# Altium PCB ISS_PCB.PcbDoc (part 4 of 4) (continued)
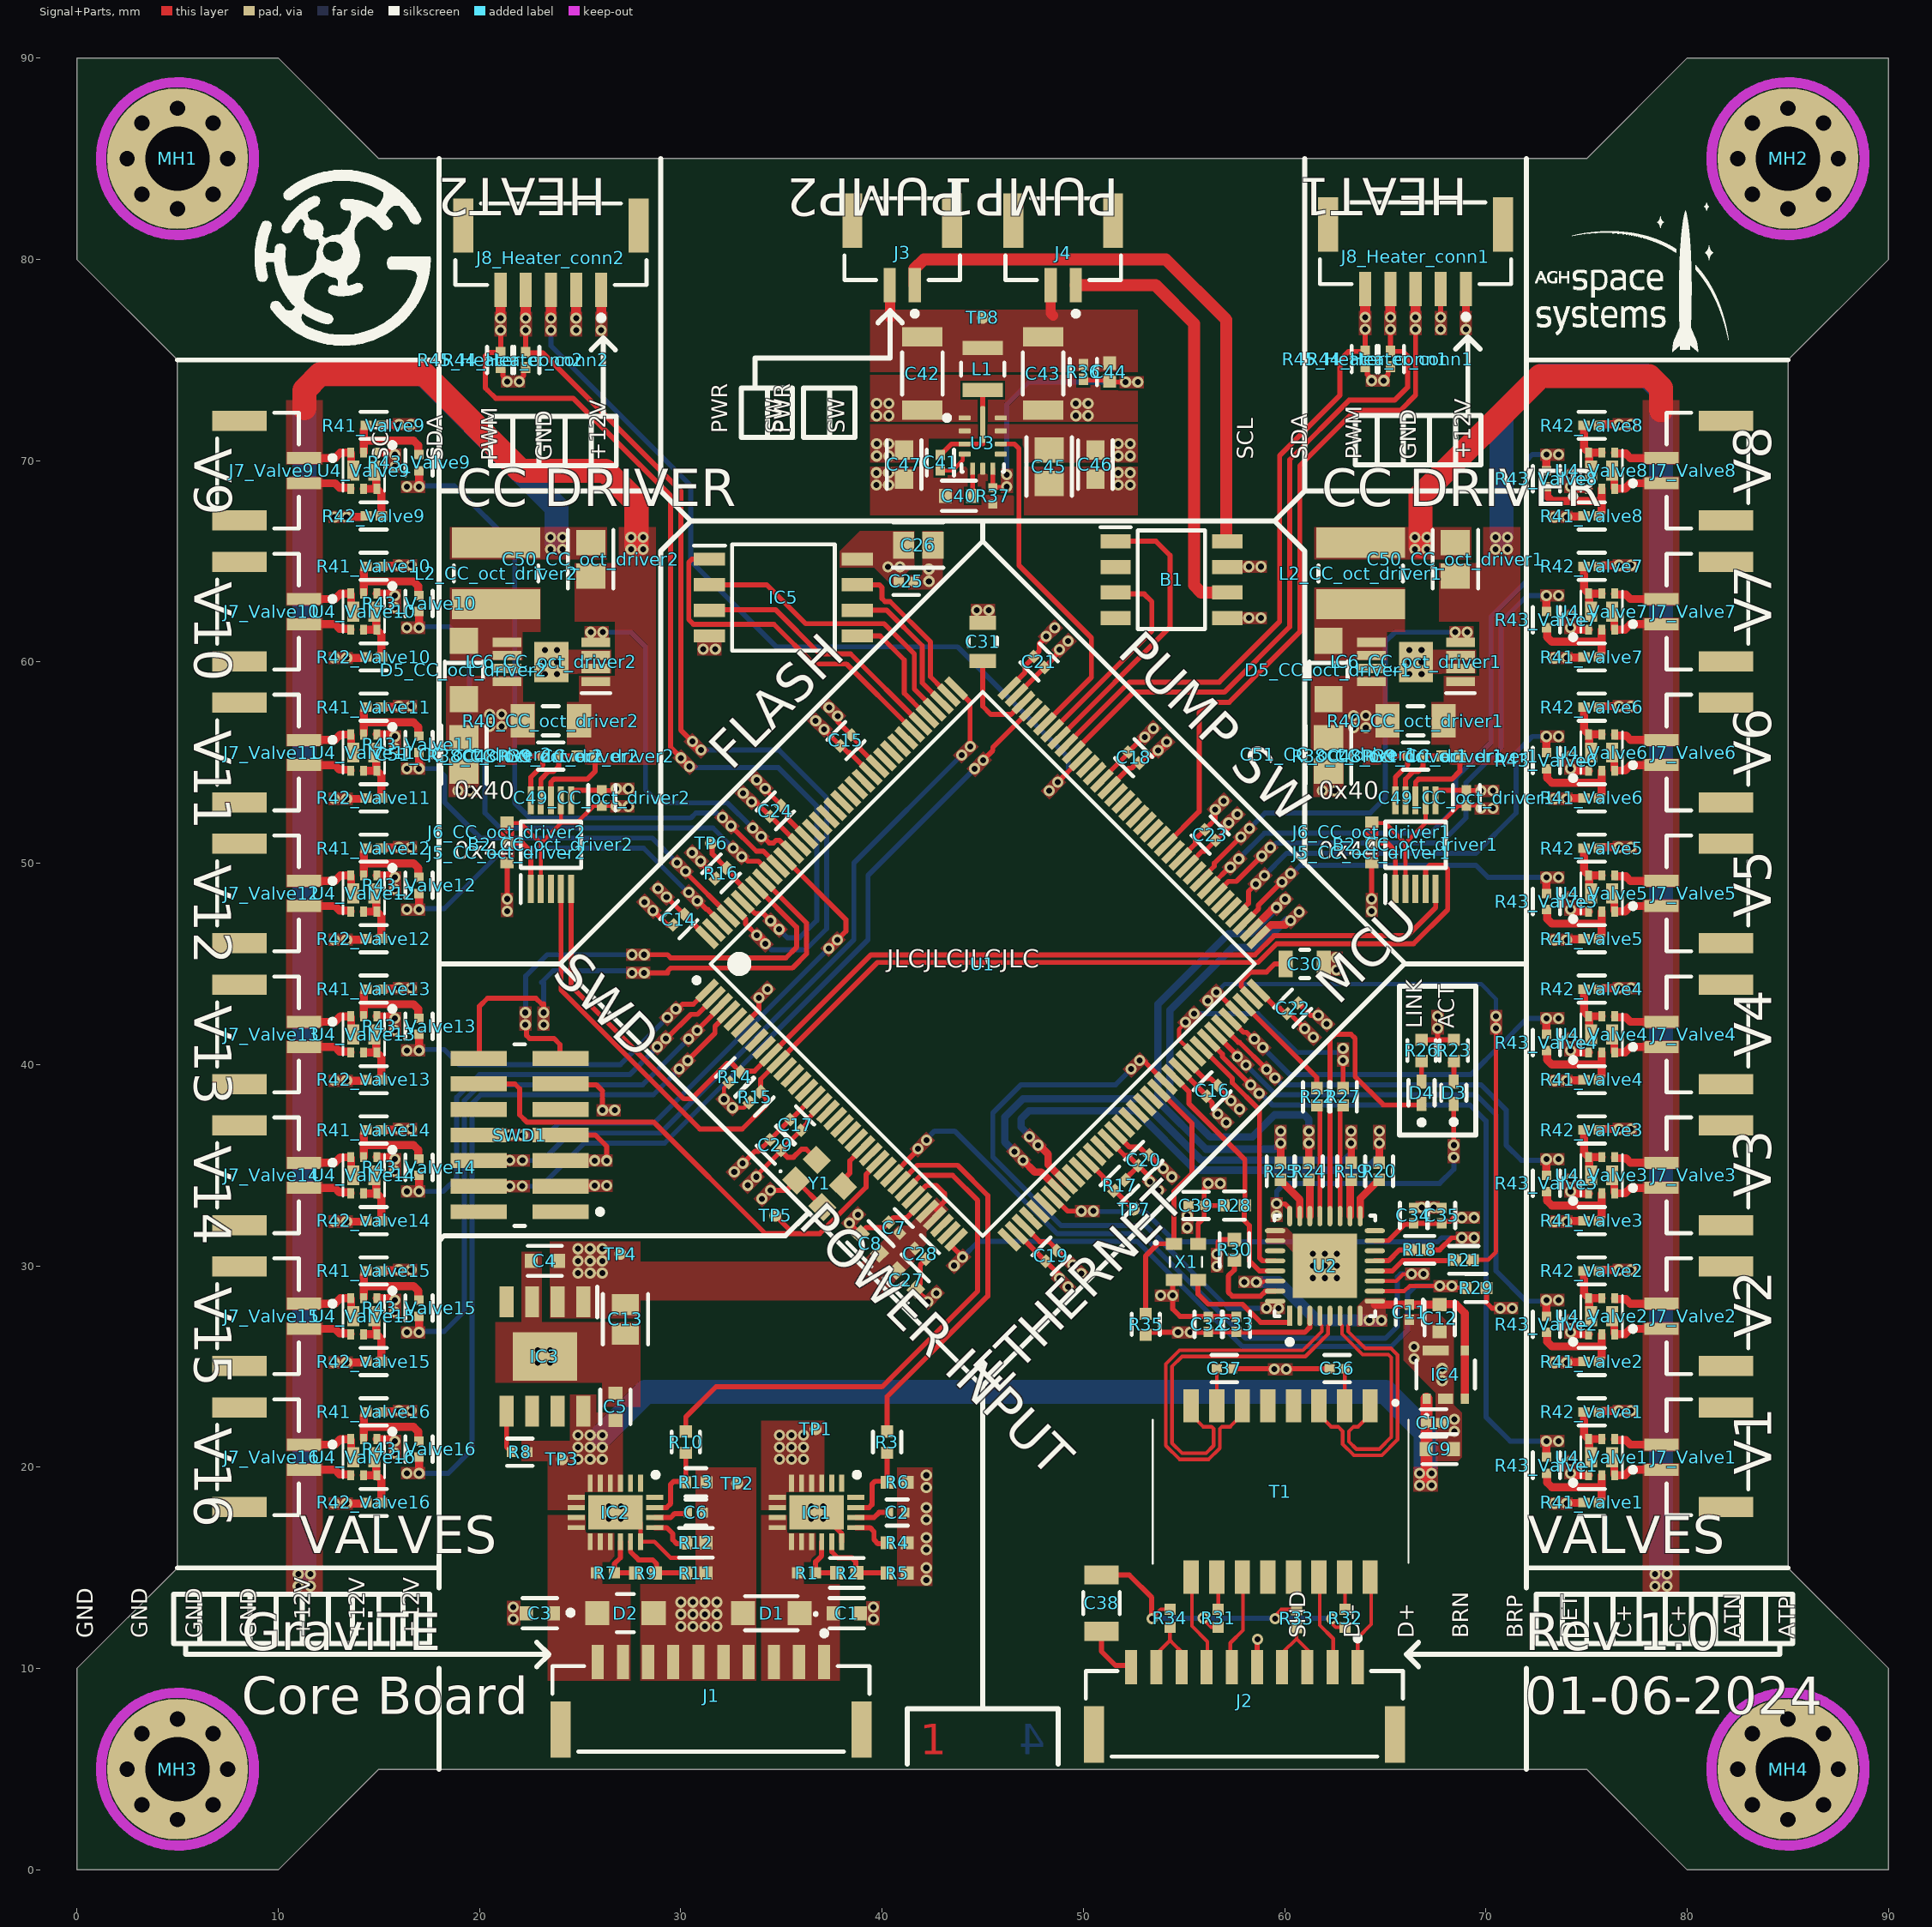
[diagram p0: Signal+Parts view]
## Polygon pours and split planes (outlines as drawn) (continued)
SWCLK on Signal "SWCLK_L04_P1935" (solid, pour order 1935): 22.541,34.932 21.341,34.932 21.341,35.532 22.541,35.532
SWO on Signal "SWO_L04_P1933" (solid, pour order 1933): 22.541,36.182 21.341,36.182 21.341,36.782 22.541,36.782
+3V3 on Signal "+3V3_L04_P1716" (solid, pour order 1716): 32.146,38.704 32.995,37.855 32.57,37.431 31.722,38.279
SWO on Signal "SWO_L04_P1929" (solid, pour order 1929): 38.201,46.197 37.352,45.348 36.928,45.772 37.776,46.621
SWCLK on Signal "SWCLK_L04_P1926" (solid, pour order 1926): 44.801,55.797 43.952,54.948 43.528,55.372 44.376,56.221
SWDIO on Signal "SWDIO_L04_P1928" (solid, pour order 1928): 45.466,55.131 44.618,54.282 44.193,54.707 45.042,55.555
+3V3 on Signal "+3V3_L04_P1915" (solid, pour order 1915): 39.994,65.029 41.194,65.029 41.194,64.429 39.994,64.429
GND on Signal "GND_L04_P1912" (solid, pour order 1912): 42.629,64.906 42.629,63.706 42.029,63.706 42.029,64.906
GND on Signal "GND_L04_P1910" (solid, pour order 1910): 49.33,73.131 50.53,73.131 50.53,71.932 49.33,71.932
GND on Signal "GND_L04_P1908" (solid, pour order 1908): 39.43,73.131 40.63,73.131 40.63,71.932 39.43,71.932
GND on Signal "GND_L04_P1906" (solid, pour order 1906): 39.43,69.7 40.63,69.7 40.63,68.532 39.43,68.532
GND on Signal "GND_L04_P1904" (solid, pour order 1904): 51.43,69.7 52.63,69.7 52.63,68.532 51.43,68.532
+12 on Signal "+12_L04_P1902" (solid, pour order 1902): 51.43,71.131 52.63,71.131 52.63,69.932 51.43,69.932
+12 on Signal "+12_L04_P1900" (solid, pour order 1900): 39.43,71.131 40.63,71.131 40.63,69.932 39.43,69.932
GND on Signal "GND_L04_P1898" (solid, pour order 1898): 62.879,45.606 62.879,44.406 62.279,44.406 62.279,45.606
GND on Signal "GND_L04_P1896" (solid, pour order 1896): 45.606,62.271 44.406,62.271 44.406,62.871 45.606,62.871
ValveGate6 on Signal "VALVEGATE6_L04_P1587" (solid, pour order 1587): 59.419,49.395 58.571,48.546 58.146,48.971 58.995,49.819
RMII_TXD0 on Signal "RMII_TXD0_L04_P1761" (solid, pour order 1761): 61.148,47.573 60.299,46.724 59.875,47.149 60.724,47.997
ST_LINK_RX on Signal "ST_LINK_RX_L04_P1888" (solid, pour order 1888): 27.284,44.859 28.484,44.859 28.484,44.259 27.284,44.259
ST_LINK_TX on Signal "ST_LINK_TX_L04_P1890" (solid, pour order 1890): 27.284,45.759 28.484,45.759 28.484,45.159 27.284,45.159
ST_LINK_TX on Signal "ST_LINK_TX_L04_P1894" (solid, pour order 1894): 21.982,41.684 21.982,42.884 22.582,42.884 22.582,41.684
ST_LINK_RX on Signal "ST_LINK_RX_L04_P1892" (solid, pour order 1892): 22.882,41.684 22.882,42.884 23.482,42.884 23.482,41.684
HEAT_I2C_SDA2 on Signal "HEAT_I2C_SDA2_L04_P1882" (solid, pour order 1882): 30.577,56.472 31.426,55.624 31.002,55.199 30.153,56.048
HEAT_I2C_SDA2 on Signal "HEAT_I2C_SDA2_L04_P1886" (solid, pour order 1886): 34.2,45.551 33.351,46.4 33.776,46.824 34.624,45.976
HEAT_I2C_SCL2 on Signal "HEAT_I2C_SCL2_L04_P1884" (solid, pour order 1884): 34.888,46.293 34.04,47.142 34.464,47.566 35.313,46.718
HEAT_I2C_SCL2 on Signal "HEAT_I2C_SCL2_L04_P1880" (solid, pour order 1880): 30.012,55.657 30.86,54.808 30.436,54.384 29.587,55.232
GND on Signal "GND_L04_P1877" (solid, pour order 1877): 30.991,49.676 30.143,50.524 30.567,50.949 31.416,50.1
ValveGate11 on Signal "VALVEGATE11_L04_P1565" (solid, pour order 1565): 30.241,49.176 29.393,50.024 29.817,50.449 30.666,49.6
GND on Signal "GND_L04_P1876" (solid, pour order 1876): 61.669,42.866 62.518,42.018 62.093,41.593 61.245,42.442
+3V3 on Signal "+3V3_L04_P1874" (solid, pour order 1874): 61.003,42.201 61.852,41.352 61.428,40.928 60.579,41.776
GND on Signal "GND_L04_P1870" (solid, pour order 1870): 68.125,25.2 68.125,24 67.525,24 67.525,25.2
+5 on Signal "+5_L04_P1868" (solid, pour order 1868): 66.399,19.999 67.599,19.999 67.599,18.8 66.399,18.8
MDIO on Signal "MDIO_L04_P1864" (solid, pour order 1864): 43.158,30.018 44.007,30.866 44.431,30.442 43.582,29.593
MDC on Signal "MDC_L04_P1862" (solid, pour order 1862): 41.358,35.818 42.207,36.666 42.631,36.242 41.782,35.393
GND on Signal "GND_L04_P1858" (solid, pour order 1858): 49.231,28.534 48.382,29.382 48.807,29.807 49.655,28.958
+3V3 on Signal "+3V3_L04_P1856" (solid, pour order 1856): 49.897,29.199 49.048,30.048 49.472,30.472 50.321,29.624
RMII_CRS_DV on Signal "RMII_CRS_DV_L04_P1854" (solid, pour order 1854): 49.6,33.025 50.8,33.025 50.8,32.425 49.6,32.425
GND on Signal "GND_L04_P1852" (solid, pour order 1852): 53.731,33.334 52.882,34.182 53.307,34.607 54.155,33.758
+3V3 on Signal "+3V3_L04_P1850" (solid, pour order 1850): 54.397,33.999 53.548,34.848 53.972,35.272 54.821,34.424
GND on Signal "GND_L04_P1848" (solid, pour order 1848): 32.234,34.669 33.082,35.518 33.507,35.093 32.658,34.245
+3V3 on Signal "+3V3_L04_P1846" (solid, pour order 1846): 32.899,34.003 33.748,34.852 34.172,34.428 33.324,33.579
+3V3 on Signal "+3V3_L04_P1844" (solid, pour order 1844): 28.869,49.166 29.718,48.318 29.293,47.893 28.445,48.742
GND on Signal "GND_L04_P1842" (solid, pour order 1842): 28.203,48.501 29.052,47.652 28.628,47.228 27.779,48.076
GND on Signal "GND_L04_P1840" (solid, pour order 1840): 33.769,54.566 34.618,53.718 34.193,53.293 33.345,54.142
+3V3 on Signal "+3V3_L04_P1838" (solid, pour order 1838): 33.103,53.901 33.952,53.052 33.528,52.628 32.679,53.476
GND on Signal "GND_L04_P1836" (solid, pour order 1836): 37.369,58.166 38.218,57.318 37.793,56.893 36.945,57.742
+3V3 on Signal "+3V3_L04_P1834" (solid, pour order 1834): 36.703,57.501 37.552,56.652 37.128,56.228 36.279,57.076
GND on Signal "GND_L04_P1832" (solid, pour order 1832): 49.666,61.031 48.818,60.182 48.393,60.607 49.242,61.455
+3V3 on Signal "+3V3_L04_P1830" (solid, pour order 1830): 49.001,61.697 48.152,60.848 47.728,61.272 48.576,62.121
GND on Signal "GND_L04_P1828" (solid, pour order 1828): 54.566,56.031 53.718,55.182 53.293,55.607 54.142,56.455
+3V3 on Signal "+3V3_L04_P1826" (solid, pour order 1826): 53.901,56.697 53.052,55.848 52.628,56.272 53.476,57.121
GND on Signal "GND_L04_P1824" (solid, pour order 1824): 58.066,52.431 57.218,51.582 56.793,52.007 57.642,52.855
+3V3 on Signal "+3V3_L04_P1822" (solid, pour order 1822): 57.401,53.097 56.552,52.248 56.128,52.672 56.976,53.521
+3V3 on Signal "+3V3_L04_P1812" (solid, pour order 1812): 57.337,38.637 58.185,37.788 57.761,37.364 56.913,38.213
GND on Signal "GND_L04_P1810" (solid, pour order 1810): 56.671,37.971 57.52,37.123 57.095,36.698 56.247,37.547
PHY_REF_CLK on Signal "PHY_REF_CLK_L04_P1801" (solid, pour order 1801): 55.924,42.528 55.076,41.679 54.652,42.103 55.5,42.952
NetD3_1 on Signal "NETD3_1_L04_P1750" (solid, pour order 1750): 59.901,33.398 59.901,32.198 59.301,32.198 59.301,33.398
MDIO on Signal "MDIO_L04_P1800" (solid, pour order 1800): 68.599,28.701 67.399,28.701 67.399,29.301 68.599,29.301
MDC on Signal "MDC_L04_P1798" (solid, pour order 1798): 67.199,29.301 65.999,29.301 65.999,29.901 67.199,29.901
+3V3 on Signal "+3V3_L04_P1796" (solid, pour order 1796): 22.274,73.626 21.074,73.626 21.074,74.226 22.274,74.226
+3V3 on Signal "+3V3_L04_P1794" (solid, pour order 1794): 65.224,73.676 64.024,73.676 64.024,74.276 65.224,74.276
GND on Signal "GND_L04_P1792" (solid, pour order 1792): 61.099,30.899 62.9,30.899 62.9,29.075 61.099,29.075
1.2V_ETH on Signal "1.2V_ETH_L04_P1784" (solid, pour order 1784): 63.902,27.601 65.102,27.601 65.102,27.001 63.902,27.001
PHY_SIGDET on Signal "PHY_SIGDET_L04_P1782" (solid, pour order 1782): 51.952,39.777 52.801,40.626 53.225,40.201 52.376,39.353
PHY_SIGDET on Signal "PHY_SIGDET_L04_P1780" (solid, pour order 1780): 59.998,27.599 58.798,27.599 58.798,28.199 59.998,28.199
+3V3 on Signal "+3V3_L04_P1777" (solid, pour order 1777): 54.402,27.001 55.602,27.001 55.602,26.401 54.402,26.401
+3V3 on Signal "+3V3_L04_P1775" (solid, pour order 1775): 70.402,28.201 71.602,28.201 71.602,27.601 70.402,27.601
+3V3 on Signal "+3V3_L04_P1773" (solid, pour order 1773): 68.502,32.701 69.702,32.701 69.702,32.101 68.502,32.101
GND on Signal "GND_L04_P1771" (solid, pour order 1771): 66.502,33.201 67.702,33.201 67.702,32.601 66.502,32.601
RMII_CRS_DV on Signal "RMII_CRS_DV_L04_P1767" (solid, pour order 1767): 68.502,31.701 69.702,31.701 69.702,31.101 68.502,31.101
RMII_RX_D0 on Signal "RMII_RX_D0_L04_P1765" (solid, pour order 1765): 46.577,36.098 47.426,35.249 47.001,34.825 46.153,35.674
RMII_RX_D1 on Signal "RMII_RX_D1_L04_P1763" (solid, pour order 1763): 47.327,36.848 48.176,35.999 47.751,35.575 46.903,36.424
RMII_RX_ER on Signal "RMII_RX_ER_L04_P1755" (solid, pour order 1755): 55.752,43.177 56.601,44.026 57.025,43.601 56.176,42.753
RMII_TXD1 on Signal "RMII_TXD1_L04_P1757" (solid, pour order 1757): 60.448,48.223 59.599,47.374 59.175,47.799 60.024,48.647
RMII_RX_ER on Signal "RMII_RX_ER_L04_P1753" (solid, pour order 1753): 70.199,41.502 70.199,42.702 70.799,42.702 70.799,41.502
1.2V_ETH on Signal "1.2V_ETH_L04_P1746" (solid, pour order 1746): 58.898,28.899 57.698,28.899 57.698,29.499 58.898,29.499
NetD3_1 on Signal "NETD3_1_L04_P1742" (solid, pour order 1742): 68.099,35.102 68.099,36.302 68.699,36.302 68.699,35.102
+3V3 on Signal "+3V3_L04_P1740" (solid, pour order 1740): 67.299,41.502 67.299,42.702 67.899,42.702 67.899,41.502
PHY_REF_CLK on Signal "PHY_REF_CLK_L04_P1738" (solid, pour order 1738): 62.599,39.902 62.599,41.102 63.199,41.102 63.199,39.902
RMII_RX_D1 on Signal "RMII_RX_D1_L04_P1736" (solid, pour order 1736): 65.001,36.998 65.001,35.798 64.401,35.798 64.401,36.998
RMII_RX_D0 on Signal "RMII_RX_D0_L04_P1734" (solid, pour order 1734): 63.601,36.998 63.601,35.798 63.001,35.798 63.001,36.998
RMII_TXD0 on Signal "RMII_TXD0_L04_P1732" (solid, pour order 1732): 61.501,36.998 61.501,35.798 60.901,35.798 60.901,36.998
RMII_TXD1 on Signal "RMII_TXD1_L04_P1730" (solid, pour order 1730): 60.101,36.998 60.101,35.798 59.501,35.798 59.501,36.998
HEAT_I2C_SCL2 on Signal "HEAT_I2C_SCL2_L04_P1667" (solid, pour order 1667): 20.75,76.175 20.75,77.375 21.35,77.375 21.35,76.175
HEAT_I2C_SDA2 on Signal "HEAT_I2C_SDA2_L04_P1663" (solid, pour order 1663): 22,76.175 22,77.375 22.6,77.375 22.6,76.175
HEATER_PWM2 on Signal "HEATER_PWM2_L04_P1659" (solid, pour order 1659): 23.25,76.175 23.25,77.375 23.85,77.375 23.85,76.175
+12 on Signal "+12_L04_P1655" (solid, pour order 1655): 25.75,76.175 25.75,77.375 26.35,77.375 26.35,76.175
GND on Signal "GND_L04_P1651" (solid, pour order 1651): 24.5,76.175 24.5,77.375 25.1,77.375 25.1,76.175
NetC44_1 on Signal "NETC44_1_L04_P1729" (solid, pour order 1729): 53.001,73.599 51.801,73.599 51.801,74.199 53.001,74.199
NetC44_1 on Signal "NETC44_1_L04_P1727" (solid, pour order 1727): 45.899,68.399 45.899,69.599 46.499,69.599 46.499,68.399
+12 on Signal "+12_L04_P1725" (solid, pour order 1725): 63.13,57.631 64.33,57.631 64.33,56.432 63.13,56.432
Driver_Out+1 on Signal "DRIVER_OUT+1_L04_P1678" (solid, pour order 1678): 70.175,66.499 71.375,66.499 71.375,65.3 70.175,65.3
Driver_Out-1 on Signal "DRIVER_OUT-1_L04_P1674" (solid, pour order 1674): 66.175,66.499 67.375,66.499 67.375,65.3 66.175,65.3
GND on Signal "GND_L04_P1637" (solid, pour order 1637): 69.454,53.027 70.654,53.027 70.654,52.427 69.454,52.427
+3V3 on Signal "+3V3_L04_P1633" (solid, pour order 1633): 69.449,53.901 70.649,53.901 70.649,53.301 69.449,53.301
+3V3 on Signal "+3V3_L04_P1629" (solid, pour order 1629): 64.624,48.526 64.624,47.326 64.024,47.326 64.024,48.526
VALVE_PWR_EN1 on Signal "VALVE_PWR_EN1_L04_P1625" (solid, pour order 1625): 69.374,61.176 68.174,61.176 68.174,61.776 69.374,61.776
GND on Signal "GND_L04_P1621" (solid, pour order 1621): 61.575,53.9 62.775,53.9 62.775,53.3 61.575,53.3
GND on Signal "GND_L04_P1615" (solid, pour order 1615): 65.9,60.9 67.1,60.9 67.1,60.3 65.9,60.3
GND on Signal "GND_L04_P1611" (solid, pour order 1611): 65.9,60.3 67.1,60.3 67.1,59.7 65.9,59.7
GND on Signal "GND_L04_P1607" (solid, pour order 1607): 65.9,59.7 67.1,59.7 67.1,59.1 65.9,59.1
+12 on Signal "+12_L04_P1723" (solid, pour order 1723): 20.2,57.699 21.4,57.699 21.4,56.5 20.2,56.5
VALVE_PWR_EN2 on Signal "VALVE_PWR_EN2_L04_P1704" (solid, pour order 1704): 33.574,52.172 34.423,51.324 33.998,50.9 33.15,51.748
ValveGate7 on Signal "VALVEGATE7_L04_P1589" (solid, pour order 1589): 59.707,50.783 58.859,49.934 58.434,50.359 59.283,51.207
ValveGate8 on Signal "VALVEGATE8_L04_P1591" (solid, pour order 1591): 58.149,50.224 57.3,49.376 56.876,49.8 57.724,50.649
ValveGate5 on Signal "VALVEGATE5_L04_P1585" (solid, pour order 1585): 60.719,49.495 59.871,48.646 59.446,49.071 60.295,49.919
ValveGate10 on Signal "VALVEGATE10_L04_P1564" (solid, pour order 1564): 33.024,49.901 32.176,50.75 32.6,51.174 33.449,50.326
ValveGate13 on Signal "VALVEGATE13_L04_P1567" (solid, pour order 1567): 28.91,42.334 29.759,43.183 30.183,42.759 29.334,41.91
ValveGate1 on Signal "VALVEGATE1_L04_P1579" (solid, pour order 1579): 58.305,39.419 59.154,38.571 58.729,38.146 57.881,38.995
ValveGate2 on Signal "VALVEGATE2_L04_P1581" (solid, pour order 1581): 58.083,39.551 57.234,40.4 57.659,40.824 58.507,39.976
GND on Signal "GND_L04_P1650" (solid, pour order 1650): 67.45,76.225 67.45,77.425 68.05,77.425 68.05,76.225
+12 on Signal "+12_L04_P1654" (solid, pour order 1654): 68.7,76.225 68.7,77.425 69.3,77.425 69.3,76.225
HEATER_PWM1 on Signal "HEATER_PWM1_L04_P1658" (solid, pour order 1658): 66.2,76.225 66.2,77.425 66.8,77.425 66.8,76.225
HEAT_I2C_SDA1 on Signal "HEAT_I2C_SDA1_L04_P1662" (solid, pour order 1662): 64.95,76.225 64.95,77.425 65.55,77.425 65.55,76.225
HEAT_I2C_SCL1 on Signal "HEAT_I2C_SCL1_L04_P1666" (solid, pour order 1666): 63.7,76.225 63.7,77.425 64.3,77.425 64.3,76.225
GND on Signal "GND_L04_P1712" (solid, pour order 1712): 41.9,18.7 41.9,19.9 42.5,19.9 42.5,18.7
GND on Signal "GND_L04_P1710" (solid, pour order 1710): 41.9,17.1 41.9,18.3 42.5,18.3 42.5,17.1
GND on Signal "GND_L04_P1708" (solid, pour order 1708): 41.9,15.6 41.9,16.8 42.5,16.8 42.5,15.6
GND on Signal "GND_L04_P1706" (solid, pour order 1706): 41.9,14.1 41.9,15.3 42.5,15.3 42.5,14.1
VALVE_PWR_EN1 on Signal "VALVE_PWR_EN1_L04_P1702" (solid, pour order 1702): 58.672,51.726 57.824,50.877 57.4,51.302 58.248,52.15
GND on Signal "GND_L04_P1700" (solid, pour order 1700): 36.175,18.349 37.375,18.349 37.375,17.15 36.175,17.15
GND on Signal "GND_L04_P1698" (solid, pour order 1698): 26.125,18.349 27.325,18.349 27.325,17.15 26.125,17.15
+3V3 on Signal "+3V3_L04_P1696" (solid, pour order 1696): 22.625,26.099 23.825,26.099 23.825,24.9 22.625,24.9
GND on Signal "GND_L04_P1694" (solid, pour order 1694): 29.699,13.599 32.1,13.599 32.1,11.775 29.699,11.775
+3V3 on Signal "+3V3_L04_P1692" (solid, pour order 1692): 24.599,31.149 26.4,31.149 26.4,29.325 24.599,29.325
+5 on Signal "+5_L04_P1690" (solid, pour order 1690): 24.599,21.899 26.4,21.899 26.4,20.075 24.599,20.075
+12 on Signal "+12_L04_P1688" (solid, pour order 1688): 34.599,21.899 36.4,21.899 36.4,20.075 34.599,20.075
GND on Signal "GND_L04_P1608" (solid, pour order 1608): 22.95,59.7 24.15,59.7 24.15,59.1 22.95,59.1
GND on Signal "GND_L04_P1612" (solid, pour order 1612): 22.95,60.3 24.15,60.3 24.15,59.7 22.95,59.7
GND on Signal "GND_L04_P1616" (solid, pour order 1616): 22.95,60.9 24.15,60.9 24.15,60.3 22.95,60.3
GND on Signal "GND_L04_P1622" (solid, pour order 1622): 18.625,53.9 19.825,53.9 19.825,53.3 18.625,53.3
VALVE_PWR_EN2 on Signal "VALVE_PWR_EN2_L04_P1626" (solid, pour order 1626): 26.424,61.176 25.224,61.176 25.224,61.776 26.424,61.776
+3V3 on Signal "+3V3_L04_P1630" (solid, pour order 1630): 21.674,48.526 21.674,47.326 21.074,47.326 21.074,48.526
+3V3 on Signal "+3V3_L04_P1634" (solid, pour order 1634): 26.5,54 27.7,54 27.7,53.4 26.5,53.4
GND on Signal "GND_L04_P1638" (solid, pour order 1638): 26.499,53.126 27.699,53.126 27.699,52.526 26.499,52.526
Driver_Out-2 on Signal "DRIVER_OUT-2_L04_P1675" (solid, pour order 1675): 23.225,66.499 24.425,66.499 24.425,65.3 23.225,65.3
Driver_Out+2 on Signal "DRIVER_OUT+2_L04_P1679" (solid, pour order 1679): 27.225,66.499 28.425,66.499 28.425,65.3 27.225,65.3
Driver_Out+1 on Signal "DRIVER_OUT+1_L04_P1671" (solid, pour order 1671): 78.099,14.999 79.299,14.999 79.299,13.8 78.099,13.8
Driver_Out-2 on Signal "DRIVER_OUT-2_L04_P1669" (solid, pour order 1669): 10.699,14.999 11.899,14.999 11.899,13.8 10.699,13.8
+3V3 on Signal "+3V3_L04_P1514" (solid, pour order 1514): 15.7,23.1 16.9,23.1 16.9,22.5 15.7,22.5
ValveGate16 on Signal "VALVEGATE16_L04_P1530" (solid, pour order 1530): 16.1,20 17.3,20 17.3,19.4 16.1,19.4
+12 on Signal "+12_L04_P1562" (solid, pour order 1562): 12.5,18.5 13.7,18.5 13.7,17.9 12.5,17.9
GND on Signal "GND_L04_P1546" (solid, pour order 1546): 15.5,20.4 15.5,21.6 16.1,21.6 16.1,20.4
+3V3 on Signal "+3V3_L04_P1513" (solid, pour order 1513): 15.7,30.1 16.9,30.1 16.9,29.5 15.7,29.5
ValveGate15 on Signal "VALVEGATE15_L04_P1529" (solid, pour order 1529): 16.1,27 17.3,27 17.3,26.4 16.1,26.4
+12 on Signal "+12_L04_P1561" (solid, pour order 1561): 12.5,25.5 13.7,25.5 13.7,24.9 12.5,24.9
GND on Signal "GND_L04_P1545" (solid, pour order 1545): 15.5,27.4 15.5,28.6 16.1,28.6 16.1,27.4
+3V3 on Signal "+3V3_L04_P1512" (solid, pour order 1512): 15.7,37.1 16.9,37.1 16.9,36.5 15.7,36.5
ValveGate14 on Signal "VALVEGATE14_L04_P1528" (solid, pour order 1528): 16.1,34 17.3,34 17.3,33.4 16.1,33.4
+12 on Signal "+12_L04_P1560" (solid, pour order 1560): 12.5,32.5 13.7,32.5 13.7,31.9 12.5,31.9
GND on Signal "GND_L04_P1544" (solid, pour order 1544): 15.5,34.4 15.5,35.6 16.1,35.6 16.1,34.4
+3V3 on Signal "+3V3_L04_P1511" (solid, pour order 1511): 15.7,44.1 16.9,44.1 16.9,43.5 15.7,43.5
ValveGate13 on Signal "VALVEGATE13_L04_P1527" (solid, pour order 1527): 16.1,41 17.3,41 17.3,40.4 16.1,40.4
+12 on Signal "+12_L04_P1559" (solid, pour order 1559): 12.5,39.5 13.7,39.5 13.7,38.9 12.5,38.9
GND on Signal "GND_L04_P1543" (solid, pour order 1543): 15.5,41.4 15.5,42.6 16.1,42.6 16.1,41.4
+3V3 on Signal "+3V3_L04_P1510" (solid, pour order 1510): 15.7,51.1 16.9,51.1 16.9,50.5 15.7,50.5
ValveGate12 on Signal "VALVEGATE12_L04_P1526" (solid, pour order 1526): 16.1,48 17.3,48 17.3,47.4 16.1,47.4
+12 on Signal "+12_L04_P1558" (solid, pour order 1558): 12.5,46.5 13.7,46.5 13.7,45.9 12.5,45.9
GND on Signal "GND_L04_P1542" (solid, pour order 1542): 15.5,48.4 15.5,49.6 16.1,49.6 16.1,48.4
+3V3 on Signal "+3V3_L04_P1509" (solid, pour order 1509): 15.7,58.1 16.9,58.1 16.9,57.5 15.7,57.5
ValveGate11 on Signal "VALVEGATE11_L04_P1525" (solid, pour order 1525): 16.1,55 17.3,55 17.3,54.4 16.1,54.4
+12 on Signal "+12_L04_P1557" (solid, pour order 1557): 12.5,53.5 13.7,53.5 13.7,52.9 12.5,52.9
GND on Signal "GND_L04_P1541" (solid, pour order 1541): 15.5,55.4 15.5,56.6 16.1,56.6 16.1,55.4
+3V3 on Signal "+3V3_L04_P1508" (solid, pour order 1508): 15.7,65.1 16.9,65.1 16.9,64.5 15.7,64.5
ValveGate10 on Signal "VALVEGATE10_L04_P1524" (solid, pour order 1524): 16.1,62 17.3,62 17.3,61.4 16.1,61.4
+12 on Signal "+12_L04_P1556" (solid, pour order 1556): 12.5,60.5 13.7,60.5 13.7,59.9 12.5,59.9
GND on Signal "GND_L04_P1540" (solid, pour order 1540): 15.5,62.4 15.5,63.6 16.1,63.6 16.1,62.4
+3V3 on Signal "+3V3_L04_P1507" (solid, pour order 1507): 74.3,66.9 73.1,66.9 73.1,67.5 74.3,67.5
ValveGate8 on Signal "VALVEGATE8_L04_P1523" (solid, pour order 1523): 73.9,70 72.7,70 72.7,70.6 73.9,70.6
+12 on Signal "+12_L04_P1555" (solid, pour order 1555): 77.5,71.5 76.3,71.5 76.3,72.1 77.5,72.1
GND on Signal "GND_L04_P1539" (solid, pour order 1539): 74.5,69.6 74.5,68.4 73.9,68.4 73.9,69.6
+3V3 on Signal "+3V3_L04_P1506" (solid, pour order 1506): 74.3,59.9 73.1,59.9 73.1,60.5 74.3,60.5
ValveGate7 on Signal "VALVEGATE7_L04_P1522" (solid, pour order 1522): 73.9,63 72.7,63 72.7,63.6 73.9,63.6
+12 on Signal "+12_L04_P1554" (solid, pour order 1554): 77.5,64.5 76.3,64.5 76.3,65.1 77.5,65.1
GND on Signal "GND_L04_P1538" (solid, pour order 1538): 74.5,62.6 74.5,61.4 73.9,61.4 73.9,62.6
+3V3 on Signal "+3V3_L04_P1505" (solid, pour order 1505): 74.3,52.9 73.1,52.9 73.1,53.5 74.3,53.5
ValveGate6 on Signal "VALVEGATE6_L04_P1521" (solid, pour order 1521): 73.9,56 72.7,56 72.7,56.6 73.9,56.6
+12 on Signal "+12_L04_P1553" (solid, pour order 1553): 77.5,57.5 76.3,57.5 76.3,58.1 77.5,58.1
GND on Signal "GND_L04_P1537" (solid, pour order 1537): 74.5,55.6 74.5,54.4 73.9,54.4 73.9,55.6
+3V3 on Signal "+3V3_L04_P1504" (solid, pour order 1504): 74.3,45.9 73.1,45.9 73.1,46.5 74.3,46.5
ValveGate5 on Signal "VALVEGATE5_L04_P1520" (solid, pour order 1520): 73.9,49 72.7,49 72.7,49.6 73.9,49.6
+12 on Signal "+12_L04_P1552" (solid, pour order 1552): 77.5,50.5 76.3,50.5 76.3,51.1 77.5,51.1
GND on Signal "GND_L04_P1536" (solid, pour order 1536): 74.5,48.6 74.5,47.4 73.9,47.4 73.9,48.6
+3V3 on Signal "+3V3_L04_P1503" (solid, pour order 1503): 74.3,38.9 73.1,38.9 73.1,39.5 74.3,39.5
ValveGate4 on Signal "VALVEGATE4_L04_P1519" (solid, pour order 1519): 73.9,42 72.7,42 72.7,42.6 73.9,42.6
+12 on Signal "+12_L04_P1551" (solid, pour order 1551): 77.5,43.5 76.3,43.5 76.3,44.1 77.5,44.1
GND on Signal "GND_L04_P1535" (solid, pour order 1535): 74.5,41.6 74.5,40.4 73.9,40.4 73.9,41.6
+3V3 on Signal "+3V3_L04_P1502" (solid, pour order 1502): 74.3,31.9 73.1,31.9 73.1,32.5 74.3,32.5
ValveGate3 on Signal "VALVEGATE3_L04_P1518" (solid, pour order 1518): 73.9,35 72.7,35 72.7,35.6 73.9,35.6
+12 on Signal "+12_L04_P1550" (solid, pour order 1550): 77.5,36.5 76.3,36.5 76.3,37.1 77.5,37.1
GND on Signal "GND_L04_P1534" (solid, pour order 1534): 74.5,34.6 74.5,33.4 73.9,33.4 73.9,34.6
+3V3 on Signal "+3V3_L04_P1501" (solid, pour order 1501): 74.3,24.9 73.1,24.9 73.1,25.5 74.3,25.5
ValveGate2 on Signal "VALVEGATE2_L04_P1517" (solid, pour order 1517): 73.9,28 72.7,28 72.7,28.6 73.9,28.6
+12 on Signal "+12_L04_P1549" (solid, pour order 1549): 77.5,29.5 76.3,29.5 76.3,30.1 77.5,30.1
GND on Signal "GND_L04_P1533" (solid, pour order 1533): 74.5,27.6 74.5,26.4 73.9,26.4 73.9,27.6
+3V3 on Signal "+3V3_L04_P1500" (solid, pour order 1500): 74.3,17.9 73.1,17.9 73.1,18.5 74.3,18.5
ValveGate1 on Signal "VALVEGATE1_L04_P1516" (solid, pour order 1516): 73.9,21 72.7,21 72.7,21.6 73.9,21.6
+12 on Signal "+12_L04_P1548" (solid, pour order 1548): 77.5,22.5 76.3,22.5 76.3,23.1 77.5,23.1
GND on Signal "GND_L04_P1532" (solid, pour order 1532): 74.5,20.6 74.5,19.4 73.9,19.4 73.9,20.6
GND on Signal "GND_L04_P1531" (solid, pour order 1531): 15.5,69.4 15.5,70.6 16.1,70.6 16.1,69.4
ValveGate4 on Signal "VALVEGATE4_L04_P1593" (solid, pour order 1593): 58.493,41.69 59.341,40.841 58.917,40.417 58.069,41.266
ValveGate3 on Signal "VALVEGATE3_L04_P1583" (solid, pour order 1583): 59.093,40.19 59.941,39.341 59.517,38.917 58.669,39.766
ValveGate16 on Signal "VALVEGATE16_L04_P1570" (solid, pour order 1570): 29.493,39.776 30.341,40.624 30.766,40.2 29.917,39.351
ValveGate15 on Signal "VALVEGATE15_L04_P1569" (solid, pour order 1569): 29.96,41.276 30.809,42.124 31.233,41.7 30.384,40.851
ValveGate14 on Signal "VALVEGATE14_L04_P1568" (solid, pour order 1568): 28.41,40.876 29.259,41.724 29.683,41.3 28.834,40.451
ValveGate12 on Signal "VALVEGATE12_L04_P1566" (solid, pour order 1566): 30.4,48.974 31.249,48.126 30.824,47.701 29.976,48.55
ValveGate9 on Signal "VALVEGATE9_L04_P1571" (solid, pour order 1571): 32.076,52.699 32.924,51.85 32.5,51.426 31.651,52.274
+12 on Signal "+12_L04_P1547" (solid, pour order 1547): 12.5,67.5 13.7,67.5 13.7,66.9 12.5,66.9
ValveGate9 on Signal "VALVEGATE9_L04_P1515" (solid, pour order 1515): 16.1,69 17.3,69 17.3,68.4 16.1,68.4
+3V3 on Signal "+3V3_L04_P1499" (solid, pour order 1499): 15.7,72.1 16.9,72.1 16.9,71.5 15.7,71.5
+12 on Power "+12_L02_P1645" (solid, pour order 1645): 5,15 5,75 14,75 14,15
+12 on Power "+12_L02_P1647" (solid, pour order 1647): 90,90 0,90 0,74 18,74 23.5,68.5 66.5,68.5 72,74 90,74
+12 on Power "+12_L02_P1644" (solid, pour order 1644): 76,15 76,75 85,75 85,15
+3V3 on Power "+3V3_L02_P1643" (solid, pour order 1643): 27.5,17.5 33.5,23.5 37.5,23.5 43.5,17.5 74.5,17.5 74.5,72.5 72,72.5 66.5,67 23.5,67 18,72.5 15.5,72.5 15.5,17.5
+12 on Power "+12_L02_P1646" (solid, pour order 1646): 90,0 0,0 0,16 28,16 34.5,22.5 36.5,22.5 43,16 90,16
GND on GND "GND_L03_P1416" (solid, pour order 1416): 0,0 0,90 90,90 90,0

## Other copper
Signal+Parts:
  pour cut-out: 48.625,5.225 41.375,5.225 41.375,7.825 48.625,7.825
  pour cut-out: 49,17.5 67,17.5 67,5.1 49,5.1
  text "1" at 41.879,5.729 h1.52
Power:
  pour cut-out: 48.625,5.225 41.375,5.225 41.375,7.825 48.625,7.825
  text "2" at 43.379,5.729 h1.52
GND:
  pour cut-out: 48.625,5.225 41.375,5.225 41.375,7.825 48.625,7.825
  text "3" at 46.371,5.729 h1.52
Signal:
  pour cut-out: 48.625,5.225 41.375,5.225 41.375,7.825 48.625,7.825
  pour cut-out: 49,17.5 67,17.5 67,5.1 49,5.1
  text "4" at 48.121,5.729 h1.52

## Silkscreen, mask and mechanical layers (free items; w line width, h text height)
Top Overlay:
  drawing of 140 lines, arcs and shapes, not listed
  text "HEAT2" at 26.287,84.648 h3.17 r180
  text "HEAT1" at 69.071,84.648 h3.17 r180
  text "PUMP2" at 43.97,84.637 h3.17 r180
  text "PUMP1" at 51.754,84.637 h3.17 r180
  text "PWR /  / SW" at 35.3,71.35 h1.35 r90
  text "PWR /  / SW" at 38.4,71.35 h1.35 r90
  text "V9" at 5.213,70.612 h3.17 r270
  text "SCL /  / SDA /  / PWM /  / GND /  / +12V" at 69.5,70.05 h1.35 r90
  text "SCL /  / SDA /  / PWM /  / GND /  / +12V" at 26.55,70 h1.35 r90
  text "V8" at 84.787,68.36 h3.17 r90
  text "CC DRIVER" at 18.845,67.113 h3.17
  text "CC DRIVER" at 61.845,67.113 h3.17
  text "V10" at 5.213,63.987 h3.17 r270
  text "V7" at 84.798,61.451 h3.17 r90
  text "PUMP SW" at 51.198,59.962 h3.17 r315
  text "V11" at 5.202,56.612 h3.17 r270
  text "V6" at 84.787,54.369 h3.17 r90
  text "FLASH" at 32.954,54.114 h3.17 r45
  text "V12" at 5.202,49.928 h3.17 r270
  text "0x40 /  / 0x44" at 18.739,49.9 h1.5
  text "0x40 /  / 0x44" at 61.689,49.9 h1.5
  text "V5" at 84.787,47.288 h3.17 r90
  text "JLCJLCJLCJLC" at 40.247,44.517 h1.52
  text "SWD" at 23.124,44.036 h3.17 r315
  text "V13" at 5.213,42.95 h3.17 r270
  text "MCU" at 63.095,42.455 h3.17 r45
  text "LINK" at 67.098,41.803 h1.35 r90
  text "ACT" at 68.693,41.802 h1.35 r90
  text "V4" at 84.798,40.372 h3.17 r90
  text "V14" at 5.202,35.971 h3.17 r270
  text "V3" at 84.787,33.392 h3.17 r90
  text "POWER INPUT" at 35.339,31.571 h3.17 r315
  text "V15" at 5.213,28.955 h3.17 r270
  text "V2" at 84.798,26.414 h3.17 r90
  text "ETHERNET" at 46.097,23.141 h3.17 r45
  text "V16" at 5.213,21.974 h3.17 r270
  text "V1" at 84.798,19.63 h3.17 r90
  text "VALVES" at 11.079,15.113 h3.17
  text "VALVES" at 72.079,15.113 h3.17
  text "+5V /  / +5V /  / GND /  / GND /  / GND /  / GND /  / GND /  / +12V /  / +12V /  / +12V" at 17.275,11.5 h1.35 r90
  text "SHD /  / D+ /  / D+ /  / BRN /  / BRP /  / DET /  / C+ /  / C+ /  / ATN /  / ATP" at 85.6,11.5 h1.35 r90
  text "GraviTE / Core Board" at 8.178,7.125 h3.17
  text "Rev 1.0 / 01-06-2024" at 71.939,7.125 h3.17
Bottom Overlay:
  drawing of 3511 lines, arcs and shapes, not listed
Mechanical 1:
  the board outline again, w0.254